# KiCad board access-controller.kicad_pcb (continued)
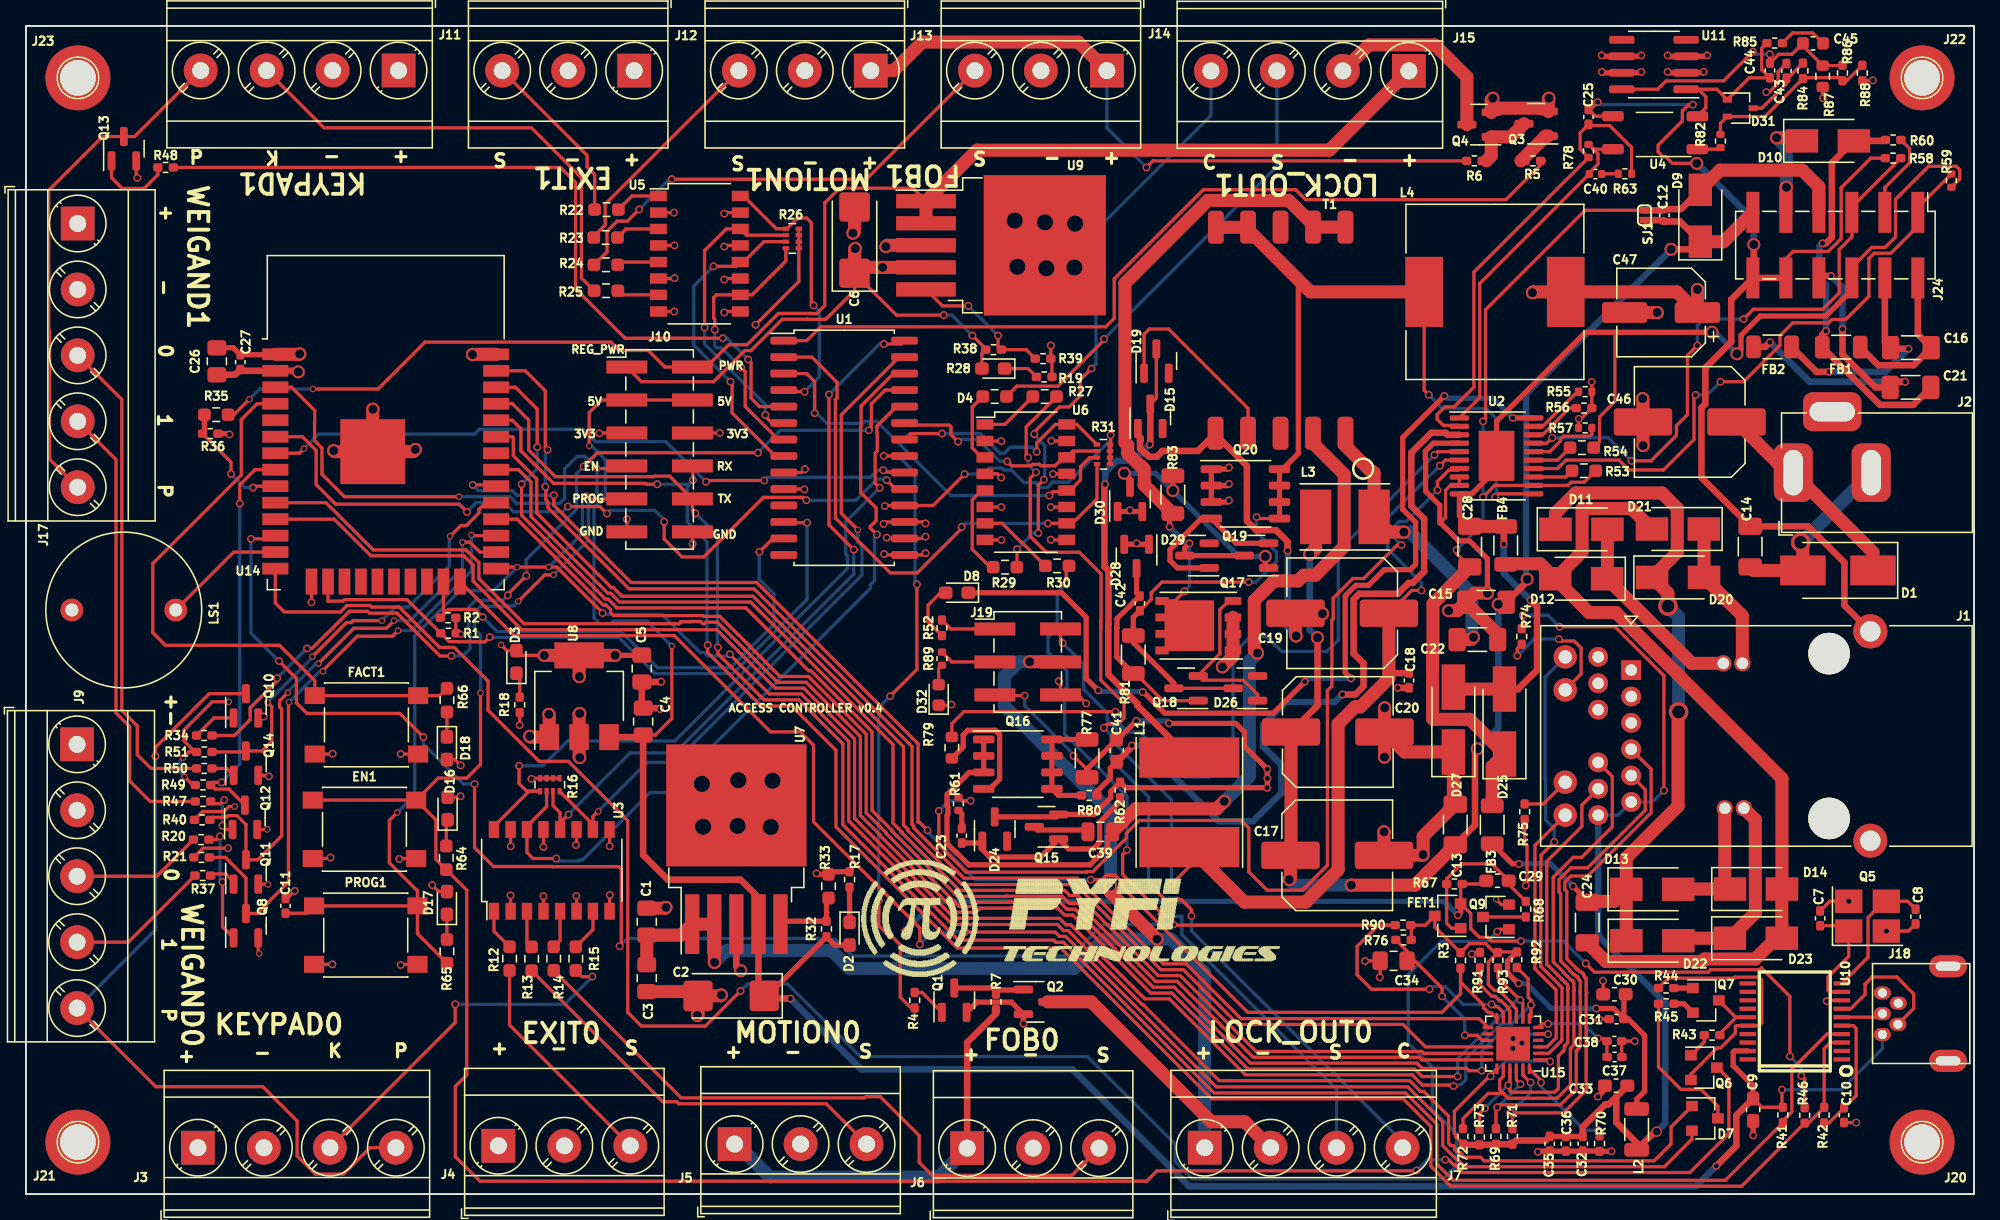
[diagram p0: board, top side]
## Routing (per net, layer and track width the routed paths; a pad name or vN(x,y) marks a point on that pad's centre or on a via; arc(x,y) is an arc through that point) (continued)
/EMAC_TX_EN: length 101.8
  Top w0.25: U15.16 107.76,11.34 106.03,13.07 93.33,13.07 89.12,17.29 87.38,17.29 86.3,18.37 86.28,18.37 84.12,20.53 84.12,20.55 80.82,23.85 72.07,23.85 67.91,28.01 67.91,28.01 67.91,28.02 67.9,28.09 67.9,28.11 67.57,28.44 67.57,34.47 55.98,46.06 45.89,46.06 45.21,46.74 45.07,46.74 39.33,52.47 39.33,55.08 37.52,56.89 37.52,58.28 37.45,58.35 U14.33
/EMAC_TXD0: length 100.1
  Top w0.25: U14.31 37.93,55.81 38.88,54.86 38.88,52.21 44.81,46.29 45.02,46.29 45.7,45.61 55.79,45.61 66.76,34.64 66.76,28.58 67.35,27.99 67.35,27.94 67.46,27.86 67.47,27.85 67.48,27.84 67.48,27.8 67.51,27.78 67.51,27.78 71.89,23.4 75.67,23.4 79.97,23.4 80.37,23 81.01,23 87.17,16.84 88.87,16.84 94.72,10.99 107.48,10.99 107.63,10.84 U15.17
/EMAC_TXD1: length 108
  Top w0.25: v1(38.16,54.69) 38.16,52.29 44.62,45.84 44.84,45.84 45.47,45.21 45.47,45.16 55.43,45.16 60.26,40.33 60.44,40.33 65.15,35.62 65.15,29.56 66.67,28.03 66.67,27.98 66.82,27.83 66.82,27.83 67.06,27.59 67.06,27.59 71.72,22.93 75.47,22.93 75.49,22.95 79.78,22.95 80.33,22.4 80.5,22.4 80.51,22.39 80.98,22.39 86.98,16.39 88.64,16.39 94.49,10.54 107.29,10.54 107.49,10.34 U15.18 ; U14.36 37.68,62.16 39.37,60.48 v1(39.37,57.55)
  Bottom w0.25: v1(39.37,57.55) 39.37,55.89 v1(38.16,54.69)
/ESP_EN: length 215.2
  Top w0.25: v1(109.29,2.64) 109.54,2.64 109.91,2.26 110.01,2.26 110.61,1.66 128.12,1.66 131.13,4.67 131.13,8.86 130.25,9.74 ; U14.3 20.45,62.16 22.23,60.38 22.23,59.5 22.22,59.49 22.22,58.05 22.79,57.48 22.79,55.46 24.52,53.73 v5(33.34,53.73) ; v5(35,38.6) 35,33.11 33.94,32.05 31.74,32.05 EN1.1 ; EN1.1 EN1.1 ; EN1.1 31.56,28.83 31.56,25.79 R64.1 33.94,23.41 33.94,9.18 33.06,8.3 33.06,2.88 34.95,0.99 86.29,0.99 87.09,1.79 107.05,1.79 v1(107.07,1.81) ; v5(43.98,55.9) 46.06,55.9 ; v5(40.62,47.71) 39.95,47.71 v5(37.91,45.67)
  Bottom w0.25: v5(40.62,47.71) 43.29,50.38 43.29,53.13 43.98,53.82 v5(43.98,55.9) 43.04,56.84 42.45,56.84 41.47,55.86 41.47,53.59 41.1,53.22 37.78,53.22 37.27,53.73 v5(33.34,53.73) ; v5(37.91,45.67) 37.55,45.31 36.92,45.31 36.9,45.29 35.04,45.29 34.53,44.78 34.53,43.55 35,43.08 v5(35,38.6) ; v1(109.29,2.64) 107.9,2.64 v1(107.07,1.81)
/Ethernet/RBIAS: length 7.6
  Top w0.25: v1(116.66,8.59) 116.66,8.75 U15.24
  Bottom w0.25: v1(121.08,4.91) 120.01,4.91 116.66,8.26 v1(116.66,8.59)
/Ethernet/RST: length 12.1
  Top w0.25: v1(109.04,15.24) 109.04,15.87 106.36,18.55 ; U15.15 112.11,11.84 111.72,12.23 v1(110.79,12.23) ; R76.1 106.34,18.71 C34.2
  Bottom w0.25: v1(109.04,15.24) 110.79,13.49 v1(110.79,12.23)
/Ethernet/RXER: length 5.1
  Top w0.25: U15.10 114.26,14.12 114.1,14.29 114.1,14.39 113.6,14.89 113.46,14.89 113.12,15.23 112.86,15.23 111.96,16.14 R91.2
/EXIT0: length 17.4
  Top w0.25: R12.2 37.24,13.02 46.54,3.72
/EXIT0_SENSE: length 59.2
  Top w0.25: 66.8,63.22 64.3,60.72 64.3,59.14 64.27,59.11 64.27,54.05 65.46,52.86 65.46,51.89 65.01,51.44 65.01,51.32 v1(65.51,50.82) ; v1(40.83,25.85) 39.05,25.85 38.58,26.32 U3.14 ; 38.58,28.34 40.09,29.85 40.09,31.03
  Bottom w0.25: v1(40.83,25.85) 41.02,25.66 42.52,25.66 42.61,25.75 42.87,25.75 48.05,30.93 49.28,30.93 65.02,46.67 65.02,46.93 65.34,47.25 65.34,50.71 65.45,50.82 v1(65.51,50.82)
/EXIT1: length 13.7
  Top w0.25: R22.2 43.79,78.55 43.21,79.13 43.21,80.02 J12.3
/EXIT1_SENSE: length 23.5
  Top w0.25: U1.6 57.45,59.41 56.93,59.92 v1(56.93,60.03) ; v1(52.25,66.76) 52.25,72.69 53.92,74.36 U5.14 55.48,73.88 R26.2
  Bottom w0.25: v1(56.93,60.03) 56.93,60.82 52.25,65.5 v1(52.25,66.76)
/FOB0: length 50.7
  Top w0.25: R14.2 50.45,7.41 64.57,7.41 64.66,7.5 65.78,7.5 68.78,4.5 68.78,2.43 69.77,1.44 80.53,1.44 J6.3
/FOB0_SENSE: length 56.4
  Top w0.25: v1(63.74,49.65) 61.83,51.56 v1(61.83,61.6) ; v1(66.06,65.5) 67.39,65.5 U1.28 ; R16.3 40.59,29.92 41.13,29.38 U3.12 41.13,28.6 v1(41.77,29.24)
  Bottom w0.25: v1(63.74,49.65) 63.74,47.76 49.97,33.99 46.52,33.99 v1(41.77,29.24) ; v1(66.06,65.5) 65.73,65.5 v1(61.83,61.6)
/FOB1: length 36.4
  Top w0.25: v1(49.73,78.19) 64.7,78.19 J14.3 ; v1(47.21,75.86) 46.31,74.96 45.53,74.96 44.74,74.17 44.74,72.6 R24.2
  Bottom w0.25: v1(47.21,75.86) 49.54,78.19 v1(49.73,78.19)
/FOB1_SENSE: length 24.6
  Top w0.25: U5.12 54.67,71.48 v1(52.94,71.48) ; U1.8 57.7,56.87 54.37,60.19 54.37,62.47 v1(54.25,62.59) ; R26.3 56.82,73.38 55.25,71.81
  Bottom w0.25: v1(54.25,62.59) 51.42,65.42 51.42,69.96 v1(52.94,71.48)
/INTA: length 58.1
  Top w0.25: v1(49.14,51.8) 49.14,50.47 50.52,49.09 52.19,49.09 56.78,53.68 59.67,53.68 59.67,53.67 59.88,53.67 v1(60.09,53.46) ; U14.6 21.28,58.35 22.34,57.29 22.34,54.66 23.85,53.16 33.35,53.16 v1(33.95,52.56) ; v1(41.73,52.97) 44.19,52.97 v1(44.73,52.43) ; 66.95,54.33 v1(66.27,55.01)
  Bottom w0.25: v1(33.95,52.56) 34.67,53.28 36.83,53.28 37.54,52.57 41.33,52.57 v1(41.73,52.97) ; v1(44.73,52.43) 44.98,52.68 48.42,52.68 49.14,51.96 v1(49.14,51.8) ; v1(60.09,53.46) 63.9,53.46 65.53,55.09 66.19,55.09 v1(66.27,55.01)
/INTB: length 51.3
  Top w0.25: v1(66.01,55.77) 66.15,55.63 66.53,55.63 66.57,55.59 U1.20 ; v1(56.85,54.98) 52.46,54.98 v1(52.36,54.88) ; U14.7 21.05,57.08 v5(21.4,57.43)
  Bottom w0.25: v1(52.36,54.88) 49.27,57.97 43.87,57.97 43.74,58.1 43.73,58.1 42.9,58.93 34.91,58.93 34.53,58.55 22.52,58.55 v5(21.4,57.43) ; v1(66.01,55.77) 65.58,55.77 65.04,55.23 57.1,55.23 v1(56.85,54.98)
/IO2: length 121.1
  Top w0.25: U14.24 37.58,43.03 49.91,43.03 57.33,35.61 59.62,35.61 60.64,34.59 60.64,28.68 68.83,20.49 v1(68.83,19.23) ; v1(72.29,20.18) 79.25,20.18 79.59,19.85 80.06,19.85 91.65,8.26 106.39,8.26 109.09,5.56 109.09,3.72 110.11,2.7 110.2,2.7 110.8,2.11 126.16,2.11 128.28,4.23 D7.2
  Bottom w0.25: v1(68.83,19.23) 69.78,20.18 v1(72.29,20.18)
/KEYPAD0: length 28
  Top w0.25: J3.3 33.05,13.22 v1(33.05,14.62) ; v1(43.61,16.75) 42.81,16.75 R15.2
  Bottom w0.25: v1(43.61,16.75) 41.48,14.62 v1(33.05,14.62)
/KEYPAD0_SENSE: length 54.2
  Top w0.25: 67.22,60.67 67.02,60.67 65.55,59.2 65.55,59.18 65.52,59.15 65.52,58.64 65.55,58.61 65.55,57.26 65.39,57.1 65.39,54.76 v1(65.74,54.41) ; 36.04,28.34 38.74,31.04 R16.1 38.55,31.04 37.97,31.62 v1(37.97,33)
  Bottom w0.25: v1(65.74,54.41) 63.12,51.79 63.12,49.31 63.26,49.17 63.26,48.2 49.97,34.91 41.71,34.91 39.8,33 v1(37.97,33)
/KEYPAD1: length 36.8
  Top w0.25: J11.3 22.95,82.15 38.93,82.15 42.77,78.31 42.77,70.58 R25.2
/KEYPAD1_SENSE: length 21.9
  Top w0.25: 55.25,76.9 57.77,74.38 R26.1 ; v1(60.64,68.47) 60.47,68.64 60.47,74.84 60.11,75.2 59.42,75.2 58.6,74.38 ; 58.47,61.82 v1(59.95,61.82)
  Bottom w0.25: v1(60.64,68.47) 61.08,68.03 61.08,62.96 v1(59.95,61.82)
/LL_N: length 3.8
  Top w0.25: J1.15 116.84,30.06 R75.1
/LL_P: length 20.5
  Top w0.25: U15.3 117.12,11.34 117.82,12.04 117.82,15.73 116.19,17.36 116.19,26.86 J1.16
/LOCK0_CLOSE: length 75.2
  Top w0.25: v1(89.74,21.43) 89.74,21.91 88.97,22.68 87.71,22.68 v1(86.84,23.55) ; v1(82.99,35.93) 83.26,36.2 84.08,36.2 84.55,36.67 84.55,37.81 82.76,39.6 82.76,43.64 82.76,43.64 82.76,44.12 82.78,44.14 82.78,47.78 81.11,49.45 78.55,49.45 77.33,50.67 77.33,55.16 v1(77.76,55.6) ; R27.2 77.02,59.12 77.02,56.89 v1(77.16,56.74)
  Bottom w0.25: v1(77.16,56.74) 77.16,56.2 v1(77.76,55.6) ; v1(89.74,21.43) 89.74,20.28 106,4.02 J7.4 ; v1(82.99,35.93) 83.53,35.39 83.53,33.51 86.43,30.61 86.43,23.96 v1(86.84,23.55)
/LOCK0_CLOSE_IO: length 17.2
  Top w0.25: U1.23 67.8,59.25 71.1,59.25 71.23,59.12 71.23,58.51 v1(71.77,57.97) ; R31.2 80.63,57.25 U6.14 79.89,56.76 79.24,56.11 78.13,56.11 78.02,56.22 77.5,56.22 77.39,56.11 75.89,56.11 v1(75.55,56.45)
  Bottom w0.25: v1(71.77,57.97) 71.94,58.15 73.28,58.15 74.98,56.45 v1(75.55,56.45)
/LOCK0_CONTROL: length 48.6
  Top w0.25: v1(66.05,56.88) 67.64,56.88 ; 68.43,14.06 67.32,15.17 67.32,19.2 66.61,19.91 66.43,19.91 65.67,20.67 v1(65.67,22.63) ; v1(68.6,46.97) 68.6,40.42 v1(66.54,38.36)
  Bottom w0.25: v1(66.05,56.88) 66.08,56.85 67.17,56.85 68.45,55.57 68.45,47.12 v1(68.6,46.97) ; v1(65.67,22.63) 65.67,37.49 v1(66.54,38.36)
/LOCK0_OUT: length 21.8
  Top w1: J7.2 93.84,5.57 91.26,5.57 82.02,14.81 Q2.3
/LOCK0_SENSE: length 17.9
  Top w0.25: v1(77.83,57.19) 77.83,57.86 79.26,59.3 U6.16 80.91,59.3 R31.1 ; U1.22 68.11,58.6 v1(70.54,58.6)
  Bottom w0.25: v1(70.54,58.6) 73.49,58.6 75.01,57.07 75.33,57.07 75.8,57.54 77.47,57.54 v1(77.83,57.19)
/LOCK0_STATE: length 55.6
  Top w0.25: v1(84.77,26.5) 84.45,26.18 84.45,24.62 87.43,21.63 v1(87.43,21.54) ; 80.1,48.18 v1(80.1,47.02)
  Bottom w0.25: v1(87.43,21.54) 87.56,21.41 88.97,21.41 89,21.38 89,19.98 100.92,8.07 J7.3 ; v1(84.77,26.5) 84.77,30.65 79.99,35.43 79.99,36.05 79.98,36.06 79.98,38.87 80.15,39.04 80.15,40.29 78.72,41.72 78.72,41.86 78.7,41.88 78.7,42.91 79.41,43.62 79.41,46.33 v1(80.1,47.02)
/LOCK1_CLOSE: length 45.8
  Top w0.25: v1(82.04,63.6) 81.18,62.74 81.18,61.5 80.33,60.65 79.58,60.65 77.64,58.71 v1(77.64,58.56) ; v1(77.95,50.93) 77.95,54.62 v1(78.38,55.05) ; v1(76.31,49.68) 76.31,48.31 R29.2
  Bottom w0.25: v1(77.95,50.93) 77.56,50.93 v1(76.31,49.68) ; J15.4 91.24,83.1 82.39,74.25 82.39,63.95 v1(82.04,63.6) ; v1(77.64,58.56) 77.64,58.47 78.45,57.66 78.45,56.86 78.45,55.12 v1(78.38,55.05)
/LOCK1_CLOSE_IO: length 31
  Top w0.25: 80.05,54.12 79.09,54.12 v1(78.79,53.82) ; 80.39,54.21 81.2,55.02 81.2,56.04 81.91,56.75 R31.3 ; v1(60.73,60.17) 60.73,62.6 60.11,63.22 U1.3
  Bottom w0.25: v1(60.73,60.17) 60.87,60.17 61.66,59.38 64.42,59.38 64.57,59.53 65.51,59.53 71.22,53.82 v1(78.79,53.82)
/LOCK1_CONTROL: length 66.7
  Top w0.25: U1.1 60.12,65.75 61.18,66.82 83.14,66.82 83.8,67.47 83.8,70.52 90.66,77.38 97.77,77.38 98.54,76.62 113.95,76.62 116.94,79.61
/LOCK1_OUT: length 15.1
  Top w1: Q4.3 110.95,86.07 108.48,88.54 103.4,88.54 J15.2
/LOCK1_SENSE: length 42
  Top w0.25: R31.4 82.47,53.57 80.58,51.68 ; v1(78.68,51.67) 78.7,51.68 U6.10 ; v1(72.05,51.41) 72.05,51.29 68.62,47.86 66.56,47.86 62.33,52.09 62.33,61.22 62.45,61.34 62.45,62.54 60.51,64.48 U1.2
  Bottom w0.25: v1(72.05,51.41) 72.31,51.67 v1(78.68,51.67)
/LOCK1_STATE: length 35.6
  Top w0.25: R28.2 76.3,62.25 79.46,62.25 83.01,65.8 v1(83.01,65.89)
  Bottom w0.25: J15.3 96.32,79.19 v1(83.01,65.89)
/MDC: length 106.3
  Top w0.25: U14.37 38.45,63.43 39.99,61.89 39.99,57.52 v1(40.16,57.35) ; U15.13 111.9,13.52 93.55,13.52 89.33,17.74 87.57,17.74 86.49,18.82 86.47,18.82 84.57,20.72 84.57,20.74 80.97,24.33 72.22,24.33 68.36,28.19 68.36,28.33 68.23,28.47 68.23,34.47 56.07,46.63 46.44,46.63 40.19,52.88 40.19,53.26 40.15,53.3 40.15,53.36 40.08,53.43 40.08,53.47 40.02,53.53 40.02,54.1 40.08,54.16 40.08,54.41 v1(39.99,54.5)
  Bottom w0.25: v1(40.16,57.35) 39.99,57.18 v1(39.99,54.5)
/MDIO: length 106.9
  Top w0.25: v1(34.4,54.64) 36.1,54.64 ; v1(40.64,53.84) 40.64,53.07 46.59,47.12 56.26,47.12 68.69,34.69 68.69,28.65 68.79,28.65 v1(69.41,28.02) ; v1(81.99,24.22) 82.84,24.22 83.18,24.55 83.87,24.55 84.37,24.05 84.37,23.7 94.08,14 109.03,14 110.46,15.43 R3.2 110.46,16.33 112.24,14.55 112.24,14.35 112.6,13.99 112.8,13.99 U15.12
  Bottom w0.25: v1(34.4,54.64) 34.85,54.19 37.45,54.19 37.79,53.84 v1(40.64,53.84) ; v1(81.99,24.22) 73.11,24.22 69.41,27.92 v1(69.41,28.02)
/Microcontroller/FACT: length 47.9
  Top w0.25: U14.4 17.79,60.89 16.58,59.68 16.58,55.4 9.76,48.58 9.76,43.26 10.74,42.28 19.52,42.28 22.23,39.57 FACT1.1 FACT1.1 31.85,38.4 R66.1
/MOTION0: length 31.3
  Top w0.25: J5.3 61.61,6.96 50.27,6.96 50.12,7.11 49.04,7.11 38.94,17.21
/MOTION0_SENSE: length 52.3
  Top w0.25: v5(44.07,29.5) 43.66,29.09 U3.10 ; 43.66,28.47 R16.4 ; v5(64.05,51.18) 62.78,52.45 62.78,60.04 67.22,64.48
  Bottom w0.25: v5(64.05,51.18) 64.05,50.23 64.36,49.91 64.36,47.69 49.93,33.26 47.83,33.26 v5(44.07,29.5)
/MOTION1: length 17.4
  Top w0.25: J13.3 44.6,76.27 44.6,74.67 43.73,73.79
/MOTION1_SENSE1: length 20.9
  Top w0.25: R26.4 58.51,71.89 55.9,69.28 U5.10 53.16,69.28 52.95,69.07 52.95,67.48 53.03,67.4 v1(53.03,66.6) ; 57.92,58.13 55.38,60.68 55.38,63.37 v1(55.06,63.69)
  Bottom w0.25: v1(53.03,66.6) 53.03,65.35 53.19,65.2 53.55,65.2 v1(55.06,63.69)
/PHY_PWR: length 151.7
  Top w0.25: v1(55.02,15.65) 52.31,12.94 47.39,12.94 46.33,14 46.33,28.78 41.77,33.34 39.52,33.34 35.57,37.28 35.57,39.52 32.98,42.11 31.85,42.11 28.74,45.22 26.62,45.22 26.49,45.35 24.72,45.35 24.22,44.85 19.89,44.85 19.2,45.54 U14.14 ; Q9.1 113.47,20.4 v1(113.29,20.22)
  Bottom w0.25: v1(55.02,15.65) 55.56,16.19 58.64,16.19 64.24,10.59 81.74,10.59 88.49,3.84 88.49,2.5 89.82,1.17 109.13,1.17 110.14,2.18 110.14,4.65 108.29,6.5 108.29,9.77 106.44,11.62 106.44,16.92 108.99,19.47 112.54,19.47 v1(113.29,20.22)
/PoE/APD: length 45.7
  Top w0.25: U2.17 117.1,57.85 v1(117.52,58.27) ; v1(132.25,67.41) 133.01,68.18 138.37,68.18 139.62,69.43 139.62,72.78 140.59,73.76 140.59,75.64 ; v1(128.7,65.38) 127.93,64.62 127.93,60.05 127.08,59.2 127.08,58.45 125.12,56.49 v1(123.62,56.49) ; R58.2 140.59,76.05
  Bottom w0.25: v1(132.25,67.41) 129.2,67.41 128.7,66.91 v1(128.7,65.38) ; v1(123.62,56.49) 121.84,58.27 v1(117.52,58.27)
/PoE/BLNK: length 4.1
  Top w0.25: R56.2 118.84,60.56 116.78,58.5 U2.18
/PoE/CLS: length 3.2
  Top w0.25: R54.2 117.94,56.55 U2.15
/PoE/CS: length 61.9
  Top w0.4: C41.1 83.49,32.81 83.49,32.04 82.47,31.01 R80.1
  Top w0.5: C41.1 85.16,34.48 v1(85.16,34.56) ; v1(101.36,38.49) 102.36,38.49 102.99,39.12 102.99,40.89 102.23,41.65 102.23,45.82 102.66,46.25 105.64,46.25 106.47,47.08 106.77,47.08 107.66,47.97 107.66,52.02 106.67,53.01 106.67,57.12 108.2,58.65 109.32,58.65 109.47,58.5 U2.3
  Bottom w0.5: v1(85.16,34.56) 86,34.56 91.84,28.72 94.48,28.72 96.66,30.9 96.66,33.08 95.26,34.48 95.26,36.15 97.02,37.91 100.78,37.91 v1(101.36,38.49)
/PoE/CTL: length 27.7
  Top w0.25: U4.4 120.68,80.51 R78.2 121.04,80.15 121.04,79.35 120.37,78.68 ; C40.2 111.94,70.16 111.94,61.37 U2.1
/PoE/CTL_LED: length 4.4
  Top w0.25: J19.3 71.3,41 R89.2
/PoE/DEN: length 3.1
  Top w0.25: U2.13 118.56,55.25 R53.2
/PoE/DT: length 5.6
  Top w0.25: U2.16 117.33,57.2 118.14,58.01 118.14,58.15 118.39,58.4 118.4,58.39 120.41,58.39 120.57,58.55 R57.1
/PoE/FRS: length 4.5
  Top w0.25: 119.46,61.83 116.78,59.15 U2.19
/PoE/GAT2: length 80.8
  Top w0.25: v1(70.29,29.52) 70.29,26.9 72.39,24.8 81.69,24.8 81.73,24.84 82.15,24.84 84.73,27.43 84.73,27.8 85.72,28.79 93.58,28.79 94.16,28.2 94.16,24.82 95.57,23.41 98.29,23.41 100.21,25.33 100.21,38.8 100.56,39.14 100.56,44.23 100.66,44.33 100.66,45.91 102.17,47.42 103,47.42 105.58,50 v1(105.91,50) ; R61.2 72.08,30.3 v1(72.74,30.3) ; U2.7 110.24,55.77 109.56,55.77 108.68,54.9 v1(108.68,54.23)
  Bottom w0.25: v1(70.29,29.52) 71.07,30.3 v1(72.74,30.3) ; v1(108.68,54.23) 106.28,51.83 105.74,51.83 105.28,51.37 105.28,50.63 v1(105.91,50)
/PoE/GATE: length 62.7
  Top w0.25: v1(83.88,37.17) 72.22,37.17 71.29,36.24 R79.2 ; U2.5 108.71,57.2 v1(108.45,56.94)
  Bottom w0.25: v1(108.45,56.94) 101.05,49.54 101.05,42.68 100.18,41.81 96.69,41.81 95.56,42.94 94.27,42.94 92.95,41.62 92.95,33.99 91.09,32.13 89.24,32.13 85.79,35.58 84.86,35.58 83.88,36.56 v1(83.88,37.17)
/PoE/PPD: length 45.7
  Top w0.25: v1(128.56,61.57) 128.44,61.45 128.44,58.14 126.09,55.79 123.44,55.79 122.67,56.55 118.58,56.55 117.93,55.9 U2.14 ; 145.67,74.56 143.6,72.49 142.31,72.49 141.9,72.08 141.9,69.17 140.11,67.38 139.05,67.38 138.8,67.13 136.05,67.13 135.06,66.14 135.06,65.39 132.25,62.59 v1(130.47,62.59) ; 145.67,76.01 R59.2
  Bottom w0.25: v1(130.47,62.59) 129.46,61.57 v1(128.56,61.57)
/PoE/PRI-: length 68.6
  Top w0.4: C39.2 83.28,27.52 83.28,26.72 81.93,25.37 72.59,25.37 71.67,26.29 71.64,26.29 70.92,27.01 70.92,29.16 70.99,29.23 70.99,29.81 70.92,29.88 70.92,30.78 72.63,32.49 Q16.3 Q16.2 Q16.1
  Top w1: v2(92.27,30.26) 91.69,29.68 85.44,29.68 C39.2 ; v2(94.83,41.68) 94.58,41.93 94.58,45.72 96.1,47.24 97.94,47.24 98.38,47.68 99.28,47.68 101.5,49.9 101.5,55.45 99.1,57.85
  Bottom w1: v2(92.27,30.26) 94.2,32.19 94.2,41.05 v2(94.83,41.68)
/PoE/T2P: length 72.5
  Top w0.4: v1(102.03,39.73) 101.58,40.17 101.58,46.09 102.39,46.9 103.38,46.9 104.59,48.11 106.6,48.11 107,48.52 107,51.76 106.01,52.75 106.01,58.29 v1(109.21,61.5) ; v1(85.99,38.68) 86.06,38.68 87.69,37.05 96.05,37.05 v1(98.47,39.47) ; U2.20 114.48,59.8 v1(114.47,59.79) ; v1(82.56,38.81) 81.63,39.73 81.63,44.44 79.74,46.33 D8.1
  Bottom w0.4: v1(102.03,39.73) 98.72,39.73 v1(98.47,39.47) ; v1(114.47,59.79) 112.95,61.32 109.39,61.32 v1(109.21,61.5) ; v1(82.56,38.81) 82.65,38.71 85.95,38.71 v1(85.99,38.68)
/PoE/VB: length 36.3
  Top w0.25: 120.31,82.4 119.67,81.76 119.67,80.5 R78.1 111.49,71.03 111.49,62.18 109.96,60.65 109.25,60.65 108.66,60.06 108.66,59.7 109.14,59.22 110.3,59.22 ; R63.1 123.63,80.64 121.94,82.33 120.4,82.33
/PoE/VC: length 81.3
  Top w0.25: v1(107.45,46.51) 106.71,46.51 C19.1 ; v1(88.21,23.87) 89.58,25.24 L1.1 ; v1(108.87,56.12) 109.3,56.55 U2.6 ; v1(79.82,42.45) 79.66,42.61 J19.2
  Top w0.5: 104.95,40.14 104.95,40.14 C18.1
  Top w1: L1.1 93.82,22.5 98.54,22.5 101.03,24.99 101.03,36.22 102.35,37.54 102.75,37.54 104.95,39.74 C19.1
  Bottom w0.25: v1(79.82,42.45) 81.43,40.84 81.43,38.89 83.25,37.07 83.25,36.55 83.98,35.82 83.98,34.58 88.21,30.35 v1(88.21,23.87) ; v1(107.45,46.51) 107.45,47.11 104.83,49.73 104.83,52.08 v1(108.87,56.12)
/POWER: length 236.1
  Top w0.25: U9.1 68.3,77.5 62.64,77.5 61.51,76.37 61.51,68.45 60.9,67.84 60.38,67.84 60.37,67.85 57.93,67.85 55.52,65.44 54.11,65.44 52.39,63.72 ; v5(22.1,62.03) 27.11,62.03 30.72,65.64 45.04,65.64 45.68,65 47.91,65 49.19,63.72 J10.2 ; v1(142.21,85.81) 142.18,85.78 R88.2 ; R35.2 16.01,60.05 v5(17.2,61.24)
  Top w1: J2.1 142.22,49.44 D1.1 ; J19.4 79.65,41.01 v2(77.29,41.01) ; U9.2 U9.1 73.23,80.43 100.37,80.43 J15.1 ; v2(128.7,69.7) 128.7,69.69 C46.1 127.11,69.51 L4.2 116.06,69.51 v2(116,69.45) ; 135.62,55.58 C47.1 ; v2(53.02,17.85) 53,17.87 U7.2 U7.1 50.45,19.95 C1.1 C3.1 ; v2(83.52,23.73) 83.52,23.21 v2(87.09,19.64)
  Bottom w0.25: v5(17.2,61.24) 17.99,62.03 v5(22.1,62.03)
  Bottom w1: v2(53.02,17.85) 53.95,18.78 62.01,18.78 63.41,17.38 80.71,17.38 82.97,19.64 v2(87.09,19.64) 88.18,19.64 90.76,17.06 J7.1 ; v2(83.52,23.73) 83.52,29.43 75.34,37.61 75.34,39.9 76.45,41.01 v2(77.29,41.01)
/PROG: length 176.9
  Top w0.25: 36.31,48.3 v5(40.25,48.3) 40.88,48.3 44.39,44.79 v1(44.39,44.76) ; J10.9 43.42,53.56 v5(43.17,53.81) ; C11.1 21.62,21.63 PROG1.1 PROG1.1 ; v1(54.2,41.59) 54.2,41.57 57.24,38.53 59.7,38.53 63.35,34.88 63.35,28.76 71.34,20.77 71.99,20.77 72.03,20.81 72.55,20.81 72.59,20.77 79.42,20.77 79.89,20.3 80.25,20.3 85.96,14.59 86.02,14.59 91.87,8.74 106.55,8.74 107.39,7.9 107.64,7.9 109.54,6 109.54,3.91 109.71,3.73 109.92,3.73 110,3.66 110,3.44 110.29,3.16 110.5,3.16 110.55,3.1 110.55,3.02 110.65,2.92 110.65,2.89 110.7,2.84 112,2.84 112.28,2.56 125.36,2.56 126.67,3.86 126.67,5.17 D7.1 ; PROG1.1 30.14,23.36 27.98,25.52 27.98,28.79 v5(28.59,29.4) ; PROG1.1 30.14,20.06 R65.1
  Bottom w0.25: v1(54.2,41.59) 54.06,41.46 52.51,41.46 52.25,41.72 51.92,41.72 48.98,44.66 44.5,44.66 v1(44.39,44.76) ; v5(37.82,48.3) 36.01,46.49 33.41,46.49 29.93,43.01 29.93,30.74 v5(28.59,29.4) ; v5(43.17,53.81) 42.84,53.49 42.84,50.89 v5(40.25,48.3)
/PUSH0: length 63.5
  Top w0.25: v1(9.97,33.74) 9.97,34.42 14.11,38.56 Q10.3 ; J9.5 9.99,8.27 18.24,8.27 20.88,5.63 20.88,2.94 22.28,1.54 24.45,1.54 26.48,3.57 J3.4
  Bottom w0.25: J9.5 9.97,20.36 v1(9.97,33.74)
/PUSH0_IO: length 73.4
  Top w0.25: v1(38.52,47.64) 37.1,46.22 v1(37.1,46.13) ; v1(64.9,58.85) 65.07,59.02 65.07,59.34 65.1,59.37 65.1,60.88 66.16,61.95 U1.25 ; v1(19.33,39.74) 19.33,39.54 17.26,37.46 17.26,36.55 16.05,35.33 R34.1 ; v1(56.36,57.12) 44,57.12 v1(42.94,56.06) ; v1(21.64,42.04) 22.02,42.04 23.09,43.11 23.11,43.11 24.9,44.9 26.31,44.9 26.45,44.75 28.58,44.75 31.87,41.46 v1(32.75,41.46)
  Bottom w0.25: v1(64.9,58.85) 58.09,58.85 v1(56.36,57.12) ; v1(37.1,46.13) 36.71,45.74 34.61,45.74 34.08,45.21 34.08,43.36 34.2,43.24 34.2,42.02 33.64,41.46 v1(32.75,41.46) ; v1(42.94,56.06) 42.39,55.51 42.39,52.75 38.52,48.88 v1(38.52,47.64) ; v1(21.64,42.04) 21.63,42.04 v1(19.33,39.74)